# Altium PCB slave.PcbDoc (part 6 of 7)
Units mm, origin at the board's own origin, x right, y up, seen from the top; angles counter-clockwise.
Board outline 260 x 70 mm, 6 copper layers (Top, FUSED_VBAT-, Signals1, Signals2, SUPPLY, Bottom), stack 1.67 mm thick; 597 components, 381 nets, 1695 pads, 3029 vias.
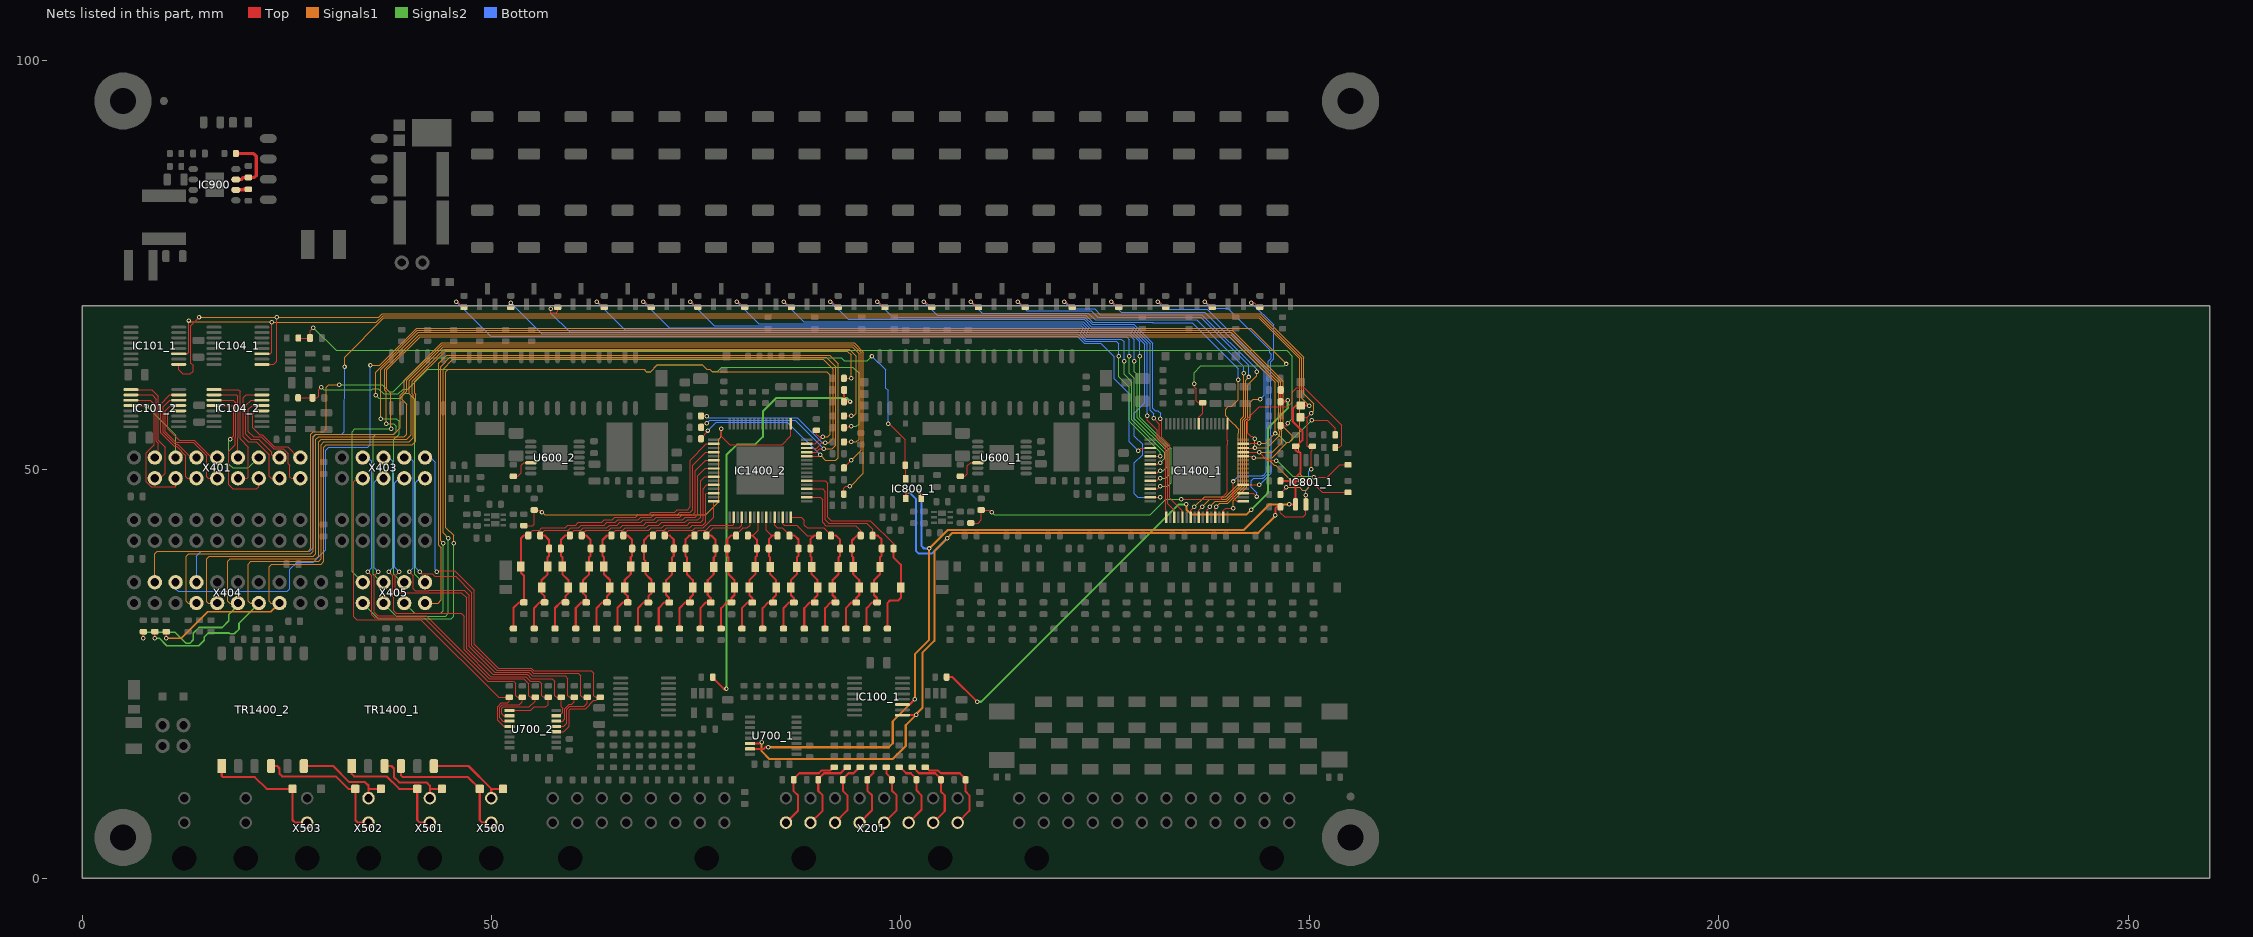
[diagram p10: the nets of this part, all layers, seen from the top]

## Via types
v1: diameter 0.55, hole 0.3, Top to Bottom, tented both sides, 2991 vias
v2: diameter 0.75, hole 0.5, Top to Bottom, tented both sides, 22 vias
v3: diameter 0.65, hole 0.4, Top to Bottom, tented both sides, 16 vias

## Nets (pads, with @x,y where several pads share a name; then routed paths per layer and width w, separated by ;. In a path a pad name is that pad's centre, name@x,y a point inside that pad or via, vN(x,y) a via of type N, cw(c..) or ccw(c..) an arc to the next point about the centre after c; other vN are vias at no path point) (continued)
PRIMARY-GPIO5-OPT: R1416_1.1 X404.13 | length 185.9
  Top w0.152: R1416_1.1@146.433,46.915 146.433,47.015 147.161,47.744 v1(147.161,47.784)
  Signals1 w0.152: v1(32.067,62.547) 32.067,63.691 36.876,68.499 143.748,68.499 148.76,63.487 148.76,52.77 148.671,52.681 148.671,52.221 148.887,52.005 148.887,49.318 149.906,48.299 149.843,48.299 149.906,48.236 149.906,47.776 149.582,47.452 149.122,47.452 148.79,47.784 v1(147.161,47.784)
  Bottom w0.152: X404.13@13.97,36.195 13.95,39.358 14.585,39.993 27.801,39.993 28.237,40.429 28.237,53.963 28.555,54.28 31.73,54.28 32.047,54.597 v1(32.067,62.547)
PRIMARY-GPIO6: IC1400_1.44 R1421_1.1 X405.1 | length 173.1
  Top w0.152: IC1400_1.44@141.958,51.598 143.03,51.598 v1(143.192,51.435) ; v1(148.844,48.578) 150.135,48.578 151.534,47.179 R1421_1.1@154.686,47.179
  Signals2 w0.152: v1(35.877,59.055) 36.241,58.691 38.857,58.691 39.458,59.292 39.917,59.292 40.64,58.569 40.64,37.148 41.593,36.195 X405.1@41.91,36.195
  Signals1 w0.152: v1(35.877,59.055) 35.877,61.869 40.984,66.975 140.548,66.975 146.746,60.778 146.746,55.186 147.854,54.078 147.854,53.618 147.53,53.294 147.272,53.294 145.414,51.435 144.748,51.435 ; v1(143.192,51.435) 144.748,51.435 ; v1(148.844,48.578) 147.744,48.578 145.832,50.49 145.693,50.49 144.748,51.435
PRIMARY-GPIO7: IC1400_1.45 R1422_1.1 X405.3 | length 168.9
  Top w0.152: IC1400_1.45@141.908,52.097 143.061,52.097 143.088,52.071 143.547,52.071 ; IC1400_1.45@141.958,52.097 IC1400_1.45@141.984,52.071 ; 143.548,52.071 v1@143.826,52.071 ; v1(143.827,52.07) 144.792,51.106 145.627,51.106 145.806,50.927 v1(145.923,51.044) ; v1(150.475,49.022) 152.148,49.022 153.67,50.544 R1422_1.1@154.686,50.544
  Signals2 w0.152: v1(36.512,56.197) 38.417,56.197 38.735,55.88 38.735,54.292 38.1,53.657 38.1,37.148 39.052,36.195 X405.3@39.37,36.195 ; v1(145.923,51.044) 146.062,51.044 147.957,49.149 150.348,49.149 v1(150.475,49.022)
  Signals1 w0.152: v1(36.512,56.197) 36.512,62.145 41.089,66.721 140.443,66.721 146.492,60.673 146.492,54.821 146.604,54.708 146.604,53.259 145.415,52.07 v1(143.827,52.07)
PRIMARY-GPIO8: IC1400_1.46 R1423_1.1 X405.5 | length 178.4
  Top w0.152: IC1400_1.46@141.958,52.598 143.29,52.598 v1(143.317,52.625) ; v1(143.29,53.751) 142.985,54.056 142.772,54.056 142.448,54.38 142.448,56.237 143.823,57.612 144.248,57.612 144.269,57.633 147.317,57.633 147.874,58.19 147.874,59.394 148.425,59.944 149.35,59.944 153.924,55.37 153.924,52.959 153.63,52.665 R1423_1.1@153.132,52.665
  Signals2 w0.152: X405.5@36.83,36.195 36.512,36.195 35.56,37.148 35.56,53.975 35.877,54.292 38.1,54.292 38.417,54.61 38.417,55.245 38.1,55.562 v1(37.148,55.562)
  Signals1 w0.152: v1(37.148,55.562) 37.148,59.499 36.974,59.673 36.974,62.247 41.194,66.467 140.338,66.467 146.238,60.568 146.238,54.716 146.35,54.603 146.35,54.143 144.832,52.625 v1(143.317,52.625) ; v1@143.29,52.598 143.29,52.934 143.273,52.951 143.273,53.41 143.29,53.427 v1(143.29,53.751)
PRIMARY-GPIO9: IC1400_1.47 R1424_1.1 X405.7 | length 164.7
  Top w0.152: IC1400_1.47@141.908,53.097 142.709,53.097 142.792,53.18 v1(143.827,53.18) ; v1(150.241,56.007) 152.144,56.007 153.132,55.019 R1424_1.1@153.132,54.199
  Signals2 w0.152: X405.7@34.29,36.195 33.02,37.465 33.02,54.61 33.337,54.927 v1(37.782,54.927) ; v1(145.796,54.373) 145.991,54.373 147.07,53.294 147.53,53.294 150.241,56.005 v1(150.241,56.007)
  Signals1 w0.152: v1(37.782,54.927) 37.702,55.008 37.702,59.304 37.228,59.778 37.228,62.142 41.299,66.213 140.232,66.213 145.796,60.65 v1(145.796,54.373) 144.603,53.18 v1(143.827,53.18)
PRIMARY-IN+: TP1405_1.1 TR1400_1.4 X500.1 | length 16.8
  Top w0.254: TR1400_1.4@38.961,13.738 38.961,12.633 39.211,12.383 47.161,12.383 TP1405_1.1@48.59,10.954 48.59,7.131 48.903,6.818 X500.1@50,6.818
PRIMARY-IN-: TP1404_1.1 TR1400_1.6 X500.2 | length 10.7
  Top w0.254: TR1400_1.6@43.068,13.738 47.216,13.738 50,10.954 ; X500.2@50,9.815 50,10.954 ; TP1404_1.1@51.435,10.954 50,10.954
PRIMARY-LTC-DRIVE: IC1400_1.49 R605_1.1 R610_1.2 | length 42.6
  Top w0.152: R605_1.1@108.585,43.432 109.472,43.432 109.855,43.815 R610_1.2@109.855,45.02 110.872,45.02 v1(111.125,44.767) ; v1(134.302,46.355) 139.14,46.355 139.958,47.173 139.958,52.981 140.012,53.035 140.012,53.495 139.958,53.549 IC1400_1.49@139.958,55.547 ; IC1400_1.49@139.958,55.598 IC1400_1.49@139.993,55.562
  Signals2 w0.152: v1(111.125,44.767) 111.443,44.45 111.76,44.45 130.493,44.45 132.398,46.355 v1(134.302,46.355)
PRIMARY-MUX-DATA_TEMP: C106_1.2 R108_1.2 R1409_1.1 | length 67.2
  Top w0.254: R108_1.2@105.634,24.606 106.362,24.606 v1(109.379,21.59) ; R1409_1.1@146.433,58.261 146.433,59.088 146.457,59.113 C106_1.2@146.457,59.69 ; R1409_1.1@146.483,58.261 147.154,58.261 147.173,58.281 v1(147.32,58.42)
  Signals2 w0.254: v1(109.379,21.59) 109.855,21.59 133.985,45.72 v1(134.938,45.72) ; v1(142.875,45.077) 144.882,47.084 144.882,55.029 147.32,57.468 v1(147.32,58.42)
  Signals1 w0.254: v1(134.938,45.72) 134.938,45.085 135.572,44.45 142.248,44.45 v1(142.875,45.077)
PRIMARY-MUX-DATA_USER: C107_1.2 R109_1.2 R1411_1.1 | length 133.5
  Top w0.152: R109_1.2@26.417,66.04 C107_1.2@27.85,66.04 27.85,66.903 v1(28.258,67.31) ; R1411_1.1@146.433,55.34 147.192,55.34 147.32,55.468 v1(147.32,55.626)
  Signals2 w0.152: v1(28.258,67.31) 31.039,64.528 31.432,64.528 147.191,64.516 147.874,63.833 147.874,56.18 v1(147.32,55.626)
PRIMARY-OUT+: TP1406_1.1 TR1400_1.1 X501.1 | length 15.2
  Top w0.254: TR1400_1.1@32.941,13.738 32.941,12.779 33.235,12.485 37.204,12.485 38.735,10.954 TP1406_1.1@40.957,10.954 40.957,7.144 41.283,6.818 X501.1@42.5,6.818
PRIMARY-OUT-: TP1407_1.1 TR1400_1.3 X501.2 | length 10.4
  Top w0.254: TR1400_1.3@37.048,13.434 37.048,13.738 37.809,13.738 38.112,13.434 38.112,12.37 38.735,11.747 42.088,11.747 42.5,11.335 42.5,10.954 ; X501.2@42.5,9.815 42.5,10.954 ; TP1407_1.1@43.974,10.954 42.5,10.954
PRIMARY-S1: IC1400_1.37 R1517.2 | length 27.4
  Top w0.152: IC1400_1.37@141.958,48.097 143.824,48.097 v1(143.827,48.101) ; v1(142.875,70.358) 143.245,70.358 143.818,69.785 R1517.2@143.918,69.785 ; R1517.2@144.045,69.785 R1517.2@144.145,69.785
  Bottom w0.152: v1(142.875,70.358) 145.588,67.645 145.588,63.483 145.242,63.136 145.242,54.143 145.287,54.098 145.287,49.487 143.901,48.101 v1(143.827,48.101)
PRIMARY-S2: IC1400_1.35 R1516.2 | length 33.4
  Top w0.152: v1(137.16,70.485) 137.313,70.485 138.013,69.785 R1516.2@138.112,69.785 ; IC1400_1.35@141.908,47.097 143.085,47.097 v1(143.51,46.672)
  Bottom w0.152: v1(137.16,70.485) 137.958,69.687 140.017,69.687 145.115,64.59 145.115,64.267 145.334,64.047 145.334,63.588 144.953,63.207 144.953,49.513 144.399,48.959 144.336,48.959 144.336,48.895 143.192,48.895 142.875,48.578 142.875,47.784 143.51,47.149 v1(143.51,46.672)
PRIMARY-S3: IC1400_1.33 R1515.2 | length 38.5
  Top w0.152: v1(131.445,70.485) 131.598,70.485 132.298,69.785 R1515.2@132.398,69.785 ; v1(140.653,48.509) 140.653,46.551 141.106,46.097 IC1400_1.33@141.908,46.097
  Bottom w0.152: v1(131.445,70.485) 132.398,69.532 137.477,69.532 144.699,62.311 144.699,49.618 144.375,49.293 144.294,49.293 144.294,49.212 141.356,49.212 v1(140.653,48.509)
PRIMARY-S4: IC1400_1.31 R1514.2 | length 44.5
  Top w0.152: v1(125.73,70.485) 125.883,70.485 126.583,69.785 R1514.2@126.682,69.785 ; IC1400_1.31@139.457,44.097 139.457,45.001 139.721,45.265 v1(140.653,45.265)
  Signals1 w0.152: v1(140.653,45.265) 140.653,46.125 142.335,47.807 142.335,55.806 142.716,56.187 142.716,58.179 143.122,58.584 143.981,58.584 v1(143.986,58.579)
  Bottom w0.152: v1(125.73,70.485) 127,69.215 137.16,69.215 144.445,61.93 144.445,59.038 v1(143.986,58.579)
PRIMARY-S5: IC1400_1.29 R1513.2 | length 48.9
  Top w0.152: v1(120.015,70.485) 120.168,70.485 120.868,69.785 R1513.2@120.968,69.785 ; IC1400_1.29@138.457,44.097 138.457,45.265 v1(138.595,45.402)
  Signals1 w0.152: v1(138.595,45.402) 139.012,45.819 139.988,45.819 142.081,47.913 142.081,55.911 142.43,56.261 142.43,60.357 143.51,61.436 v1(143.51,61.912)
  Bottom w0.152: v1(120.015,70.485) 120.903,69.597 123.709,69.597 124.409,68.897 136.835,68.897 143.51,62.223 v1(143.51,61.912)
PRIMARY-S6: IC1400_1.27 R1512.2 | length 54.2
  Top w0.152: v1(114.303,70.485) 114.453,70.485 115.153,69.785 R1512.2@115.252,69.785 ; IC1400_1.27@137.458,44.147 137.458,45.065 v1(137.795,45.402)
  Signals1 w0.152: v1(137.795,45.402) 138.466,46.073 139.883,46.073 141.827,48.018 141.827,56.017 142.177,56.366 142.177,60.896 v1(142.558,61.277)
  Bottom w0.152: v1(114.303,70.485) 115.445,69.343 123.329,69.343 124.091,68.581 131.446,68.581 131.447,68.58 136.674,68.58 142.558,62.697 v1(142.558,61.277)
PRIMARY-S7: IC1400_1.25 R1535.2 | length 59.8
  Top w0.152: v1(108.585,70.485) 108.738,70.485 109.438,69.785 R1535.2@109.537,69.785 ; IC1400_1.25@136.457,44.097 136.457,45.017 136.467,45.017 v1(136.852,45.402)
  Signals1 w0.152: v1(136.852,45.402) 137.805,46.355 139.805,46.355 141.573,48.123 141.573,56.122 141.922,56.471 v1(141.922,61.754)
  Bottom w0.152: v1(108.585,70.485) 109.981,69.089 122.936,69.089 123.775,68.25 136.22,68.25 141.922,62.547 v1(141.922,61.754)
PRIMARY-S8: IC1400_1.23 R1534.2 | length 66.8
  Top w0.152: v1(102.87,70.485) 103.023,70.485 103.723,69.785 R1534.2@103.822,69.785 ; IC1400_1.23@135.457,44.097 135.457,44.97 v1(135.89,45.402)
  Signals1 w0.152: v1(135.89,45.402) 137.16,46.672 139.763,46.672 141.287,48.197 141.287,54.417 141.319,54.449 141.319,54.908 141.019,55.208 141.019,55.238 140.44,55.816 140.411,55.816 139.717,56.51 139.717,57.36 140.042,57.684 140.483,57.684 141.287,58.489 v1(141.287,60.96)
  Bottom w0.152: v1(102.87,70.485) 104.52,68.835 122.617,68.835 123.507,67.945 130.822,67.945 130.835,67.933 135.656,67.933 141.287,62.301 v1(141.287,60.96)
PRIMARY-S9: IC1400_1.21 R1533.2 | length 60
  Top w0.152: v1(97.155,70.485) 97.308,70.485 98.008,69.785 R1533.2@98.108,69.785 ; v1(131.762,56.197) 131.903,56.057 131.903,53.913 132.905,52.91 132.905,46.482 134.457,44.93 IC1400_1.21@134.457,44.097
  Bottom w0.152: v1(97.155,70.485) 99.059,68.581 122.512,68.581 123.402,67.691 128.524,67.691 130.81,65.405 130.81,57.468 131.127,57.15 131.445,57.15 131.777,56.818 131.777,56.212 v1(131.762,56.197)
PRIMARY-S10: IC1400_1.19 R1532.2 | length 64.9
  Top w0.152: v1(91.44,70.485) 91.593,70.485 92.293,69.785 R1532.2@92.392,69.785 ; v1(130.964,56.212) 131.649,55.527 131.649,53.807 132.651,52.805 132.651,45.783 133.457,44.978 IC1400_1.19@133.457,44.097
  Bottom w0.152: v1(91.44,70.485) 93.616,68.309 122.425,68.309 123.297,67.437 128.419,67.437 130.493,65.363 130.493,57.226 130.964,56.755 v1(130.964,56.212)
PRIMARY-S11: IC1400_1.17 R1531.2 | length 70
  Top w0.152: v1(85.725,70.485) 85.878,70.485 86.578,69.785 R1531.2@86.677,69.785 ; v1(130.175,56.515) 130.175,55.971 131.395,54.751 131.395,53.702 132.398,52.7 132.398,45.085 132.457,45.025 IC1400_1.17@132.457,44.097
  Bottom w0.152: v1(85.725,70.485) 88.155,68.055 122.32,68.055 123.192,67.183 128.314,67.183 130.175,65.322 v1(130.175,56.515)
PRIMARY-S12: IC1400_1.15 R1530.2 | length 77.5
  Top w0.152: v1(80.01,70.485) 80.163,70.485 80.863,69.785 R1530.2@80.962,69.785 ; IC1400_1.15@130.457,46.598 v1(131.762,46.598)
  Bottom w0.152: v1(80.01,70.485) 82.694,67.801 122.215,67.801 123.087,66.929 128.208,66.929 129.857,65.28 129.857,58.102 128.588,56.832 128.588,54.038 129.586,53.04 129.586,51.774 128.588,50.775 128.588,46.99 128.98,46.598 v1(131.762,46.598)
PRIMARY-S13: IC1400_1.13 R1553.2 | length 79.9
  Top w0.152: v1(74.295,70.485) 74.448,70.485 75.148,69.785 R1553.2@75.248,69.785 ; IC1400_1.13@130.457,47.598 131.418,47.598 v1(131.762,47.942)
  Signals2 w0.152: v1(129.222,63.817) 129.222,56.366 133.079,52.51 133.079,48.375 132.646,47.942 v1(131.762,47.942)
  Bottom w0.152: v1(74.295,70.485) 77.233,67.547 122.11,67.547 122.981,66.675 128.103,66.675 129.222,65.556 v1(129.222,63.817)
PRIMARY-S14: IC1400_1.11 R1552.2 | length 84.1
  Top w0.152: v1(68.58,70.485) 68.733,70.485 69.433,69.785 R1552.2@69.532,69.785 ; IC1400_1.11@130.457,48.598 131.306,48.598 131.604,48.895 v1(131.762,48.895)
  Signals2 w0.152: v1(128.588,63.182) 128.588,61.912 128.905,61.595 128.905,56.324 132.825,52.404 132.825,49.322 132.398,48.895 v1(131.762,48.895)
  Bottom w0.152: v1(68.58,70.485) 71.772,67.293 122.004,67.293 122.876,66.421 127.998,66.421 128.588,65.831 v1(128.588,63.182)
PRIMARY-S15: IC1400_1.9 R1551.2 | length 88.1
  Top w0.152: v1(62.865,70.485) 63.018,70.485 63.718,69.785 R1551.2@63.817,69.785 ; IC1400_1.9@130.457,49.598 131.354,49.598 131.604,49.847 v1(131.762,49.847)
  Signals2 w0.152: v1(127.953,63.817) 127.953,61.744 128.588,61.109 128.588,56.197 132.571,52.214 132.571,50.338 132.08,49.847 v1(131.762,49.847)
  Bottom w0.152: v1(62.865,70.485) 66.311,67.039 121.899,67.039 122.771,66.167 127.635,66.167 127.953,65.849 v1(127.953,63.817)
PRIMARY-S16: IC1400_1.7 R1550.2 | length 92.3
  Top w0.152: v1(57.277,69.596) 57.277,69.151 57.921,69.151 58.102,69.333 R1550.2@58.102,69.785 ; IC1400_1.7@130.457,50.598 131.401,50.598 131.604,50.8 v1(131.762,50.8)
  Signals2 w0.152: v1(127.317,63.182) 127.317,61.595 128.27,60.642 128.27,56.039 132.317,51.992 132.317,51.354 v1(131.762,50.8)
  Bottom w0.152: v1(57.277,69.596) 57.277,69.088 59.58,66.785 121.794,66.785 122.666,65.913 127,65.913 127.317,65.596 v1(127.317,63.182)
PRIMARY-S17: IC1400_1.5 R1549.2 | length 94.1
  Top w0.152: R1549.2@52.387,69.785 v1(52.387,70.34) ; IC1400_1.5@130.457,51.598 131.759,51.598 v1(131.762,51.594)
  Signals2 w0.152: v1(126.682,63.817) 126.682,61.277 127.953,60.008 127.953,55.88 131.762,52.07 v1(131.762,51.594)
  Bottom w0.152: v1(52.387,70.34) 56.196,66.531 121.689,66.531 122.561,65.659 126.365,65.659 126.682,65.341 v1(126.682,63.817)
PRIMARY-S18: IC1400_1.3 R1548.2 | length 98.7
  Top w0.152: v1(45.72,70.485) 45.873,70.485 46.573,69.785 R1548.2@46.672,69.785 ; v1(129.032,52.254) 129.376,52.598 IC1400_1.3@130.457,52.598
  Bottom w0.152: v1(45.72,70.485) 49.928,66.277 121.584,66.277 122.455,65.405 124.46,65.405 126.128,63.737 126.128,61.048 127.953,59.223 127.953,53.333 v1(129.032,52.254)
PRIMARY-SCL: IC100_1.1 IC101_1.1 IC104_1.1 IC800_1.4 IC801_1.6 R1417_1.1 R1420_1.1 TP1409_1.1 U700_1.14 | length 287.4
  Top w0.152: IC101_1.1@11.786,62.801 IC101_1.1@11.815,62.801 ; IC101_1.1@11.815,62.813 IC101_1.1@11.815,62.801 ; v1(14.287,68.58) 13.886,68.178 13.889,68.175 13.283,67.568 13.283,62.984 13.572,62.695 13.572,62 13.247,61.676 12.3,61.676 11.815,62.161 IC101_1.1@11.815,62.801 ; IC104_1.1@21.946,62.801 IC104_1.1@21.975,62.801 ; IC104_1.1@21.975,62.813 23.443,62.813 23.812,63.182 v1(23.812,68.58) ; R1417_1.1@146.433,45.402 146.433,44.702 146.939,44.196 149.225,44.196 149.542,44.514 IC801_1.6@149.542,45.719 v1(149.542,46.831) ; TP1409_1.1@148.887,56.356 149.701,56.356 ; v1(150.177,50.006) 150.177,52.188 150.336,52.347 R1420_1.1@150.336,52.799 149.701,52.799 149.701,55.763 149.687,55.777 149.687,56.342 149.701,56.356 ; v1(150.177,56.832) 149.701,56.356
  Top w0.254: U700_1.14@81.605,16.488 82.845,16.488 v1(83.026,16.669) ; IC100_1.1@100.239,19.95 101.865,19.95 v1(101.917,20.002) ; IC800_1.4@100.65,46.425 100.65,46.993 v1(100.965,47.307) ; v1(145.8,44.379) 145.8,45.222 145.981,45.402 R1417_1.1@146.433,45.402
  Signals1 w0.152: v1(14.287,68.58) v1(23.812,68.58) 36.238,68.58 36.666,69.007 143.958,69.007 149.268,63.697 149.268,59.244 150.484,58.028 150.484,57.139 v1(150.177,56.832)
  Signals1 w0.254: v1(83.026,16.669) 83.026,15.557 83.979,14.605 99.06,14.605 100.647,16.192 100.647,18.732 v1(101.917,20.002) 101.917,20.099 102.711,20.893 102.711,27.622 104.14,29.051 104.14,40.005 v1(105.727,41.593) 106.362,42.227 106.68,42.227 143.736,42.227 145.8,44.291 v1(145.8,44.379)
  Bottom w0.152: v1(149.542,46.831) 149.542,47.412 149.906,47.776 149.906,49.735 v1(150.177,50.006)
  Bottom w0.254: v1(100.965,47.307) 101.917,46.355 101.917,40.005 102.235,39.688 103.822,39.688 v1(105.727,41.593)
PRIMARY-SDA: IC100_1.3 IC101_1.3 IC104_1.3 IC800_1.5 IC801_1.5 R1415_1.1 R1419_1.1 TP1408_1.1 U700_1.15 | length 273.4
  Top w0.152: IC101_1.3@11.815,64.113 12.842,64.113 13.018,64.288 v1(13.018,68.178) ; IC104_1.3@21.975,64.113 23.002,64.113 23.177,64.288 v1(23.177,67.945)
  Top w0.254: U700_1.15@81.605,15.838 83.306,15.838 83.502,16.034 v1(83.82,16.034) ; IC100_1.3@100.239,21.25 101.109,21.25 v1(101.759,21.9) ; v1(102.235,47.307) 102.55,46.992 IC800_1.5@102.55,46.425 ; R1415_1.1@146.433,48.578 147.574,48.578 148.239,47.913 ; v1(147.476,45.719) IC801_1.5@148.273,45.719 148.273,47.879 148.239,47.913 ; v1(149.93,57.785) TP1408_1.1@148.907,57.785 148.306,57.785 147.935,57.414 147.935,55.836 149.098,54.673 149.098,53.524 148.372,52.799 R1419_1.1@148.273,52.799 148.273,52.347 148.522,52.097 148.723,52.097 148.887,51.933 148.887,49.634 148.239,48.985 148.239,47.913
  Signals1 w0.152: v1(13.018,68.178) 13.17,68.026 23.097,68.026 v1(23.177,67.945) 35.963,67.945 36.771,68.753 143.853,68.753 149.014,63.592 149.014,58.7 v1(149.93,57.785)
  Signals1 w0.254: v1(83.82,16.034) 98.584,16.034 99.06,16.51 99.06,19.201 v1(101.759,21.9) 101.759,27.416 103.505,29.163 v1(103.505,40.322) 105.766,42.583 106.68,42.583 141.961,42.583 145.096,45.719 v1(147.476,45.719)
  Bottom w0.254: v1(102.235,47.307) 102.552,46.99 102.552,40.64 102.87,40.322 v1(103.505,40.322)
PRIMARY-T-SENSOR_0: R107_1.1 R112_1.2 X201.1 | length 11.6
  Top w0.254: R112_1.2@103.029,13.588 103.129,13.588 103.499,13.217 104.576,13.217 104.934,12.859 107.255,12.859 107.953,12.161 R107_1.1@107.953,12.061 107.953,10.633 108.426,10.16 108.426,8.254 X201.1@106.99,6.818
PRIMARY-T-SENSOR_1: R106_1.1 R113_1.2 X201.2 | length 10.2
  Top w0.254: R113_1.2@101.441,13.588 101.541,13.588 102.27,12.859 104.255,12.859 104.953,12.161 R106_1.1@104.953,12.061 104.953,10.617 105.41,10.16 105.41,8.235 X201.2@103.993,6.818
PRIMARY-T-SENSOR_2: R105_1.1 R114_1.2 X201.3 | length 8.9
  Top w0.254: R114_1.2@99.854,13.588 99.954,13.588 100.683,12.859 101.255,12.859 101.953,12.161 R105_1.1@101.953,12.061 101.953,10.759 102.552,10.16 102.552,8.374 X201.3@100.996,6.818
PRIMARY-T-SENSOR_3: R104_1.1 R115_1.2 X201.4 | length 7.9
  Top w0.254: X201.4@97.999,6.818 99.536,8.355 99.536,10.16 98.953,10.743 R104_1.1@98.953,12.061 98.953,12.161 98.266,12.848 R115_1.2@98.266,13.588
PRIMARY-T-SENSOR_4: R103_1.1 R116_1.2 X201.5 | length 7.9
  Top w0.254: X201.5@95.001,6.818 96.52,8.337 96.52,10.16 95.953,10.727 R103_1.1@95.953,12.061 95.953,12.161 96.679,12.886 R116_1.2@96.679,13.588
PRIMARY-T-SENSOR_5: R102_1.1 R117_1.2 X201.6 | length 8.9
  Top w0.254: X201.6@92.004,6.818 93.504,8.318 93.504,10.16 92.953,10.711 R102_1.1@92.953,12.061 92.953,12.161 93.651,12.859 94.262,12.859 94.991,13.588 R117_1.2@95.091,13.588
PRIMARY-T-SENSOR_6: R101_1.1 R118_1.2 X201.7 | length 10.3
  Top w0.254: X201.7@89.007,6.818 90.487,8.299 90.487,10.16 89.953,10.694 R101_1.1@89.953,12.061 89.953,12.161 90.651,12.859 92.675,12.859 93.404,13.588 R118_1.2@93.504,13.588
PRIMARY-T-SENSOR_7: R100_1.1 R119_1.2 X201.8 | length 11.7
  Top w0.254: X201.8@86.01,6.818 87.471,8.279 87.471,10.16 86.953,10.678 R100_1.1@86.953,12.061 86.953,12.161 87.651,12.859 90.011,12.859 90.369,13.217 91.446,13.217 91.816,13.588 R119_1.2@91.916,13.588
PRIMARY-TEMP-ALERT: IC800_1.3 R800_1.1 X404.17 | length 130.1
  Top w0.152: v1(98.485,55.562) 98.614,55.562 100.582,53.594 R800_1.1@100.582,50.482 100.582,49.931 100.65,49.863 IC800_1.3@100.65,48.825
  Signals2 w0.152: v1(31.432,60.325) 36.681,60.325 37.553,59.453 38.012,59.453 42.169,63.61 92.769,63.61 93.115,63.263 95.966,63.263 v1(96.52,63.817)
  Signals1 w0.152: X404.17@8.89,36.195 8.89,39.688 9.207,40.005 27.622,40.005 27.94,40.322 27.94,54.292 28.258,54.61 29.527,54.61 29.845,54.927 29.845,60.008 30.162,60.325 v1(31.432,60.325)
  Bottom w0.152: v1(96.52,63.817) 98.188,62.149 98.188,59.927 98.485,59.63 v1(98.485,55.562)
PRIMARY-WDT: IC1400_1.56 R1404_1.1 X404.15 | length 184.9
  Top w0.152: v1(135.89,60.452) 135.89,60.092 136.124,59.859 136.124,58.38 136.136,58.38 136.378,58.137 R1404_1.1@136.93,58.137 136.93,56.821 136.458,56.349 IC1400_1.56@136.458,55.547
  Signals2 w0.152: v1(135.89,60.452) 135.89,61.821 136.694,62.626 146.922,62.626 v1(147.161,62.865)
  Signals1 w0.152: v1(35.242,62.706) 36.355,62.706 40.879,67.229 142.797,67.229 v1(147.161,62.865)
  Bottom w0.152: X404.15@11.43,36.195 11.41,35.389 11.727,35.071 25.062,35.071 25.38,35.389 25.38,37.77 26.269,38.659 28.263,38.659 29.761,40.157 29.761,52.312 30.142,52.693 34.905,52.693 35.222,53.01 35.242,53.03 v1(35.242,62.706)
R_FB: IC900.6 R904.1 | length 1.6
  Top w0.406: IC900.6@18.794,84.138 19.703,84.138 19.768,84.203 R904.1@20.32,84.203
R_REF: IC900.7 R902.2 R905.2 | length 7.7
  Top w0.406: IC900.7@18.794,85.407 19.467,85.407 19.72,85.66 R902.2@20.32,85.66 21.06,85.66 21.273,85.873 21.273,88.265 20.955,88.582 R905.2@18.797,88.582